# Allegro board ZDRK-36-DE3-A02-20190729.brd (continued)
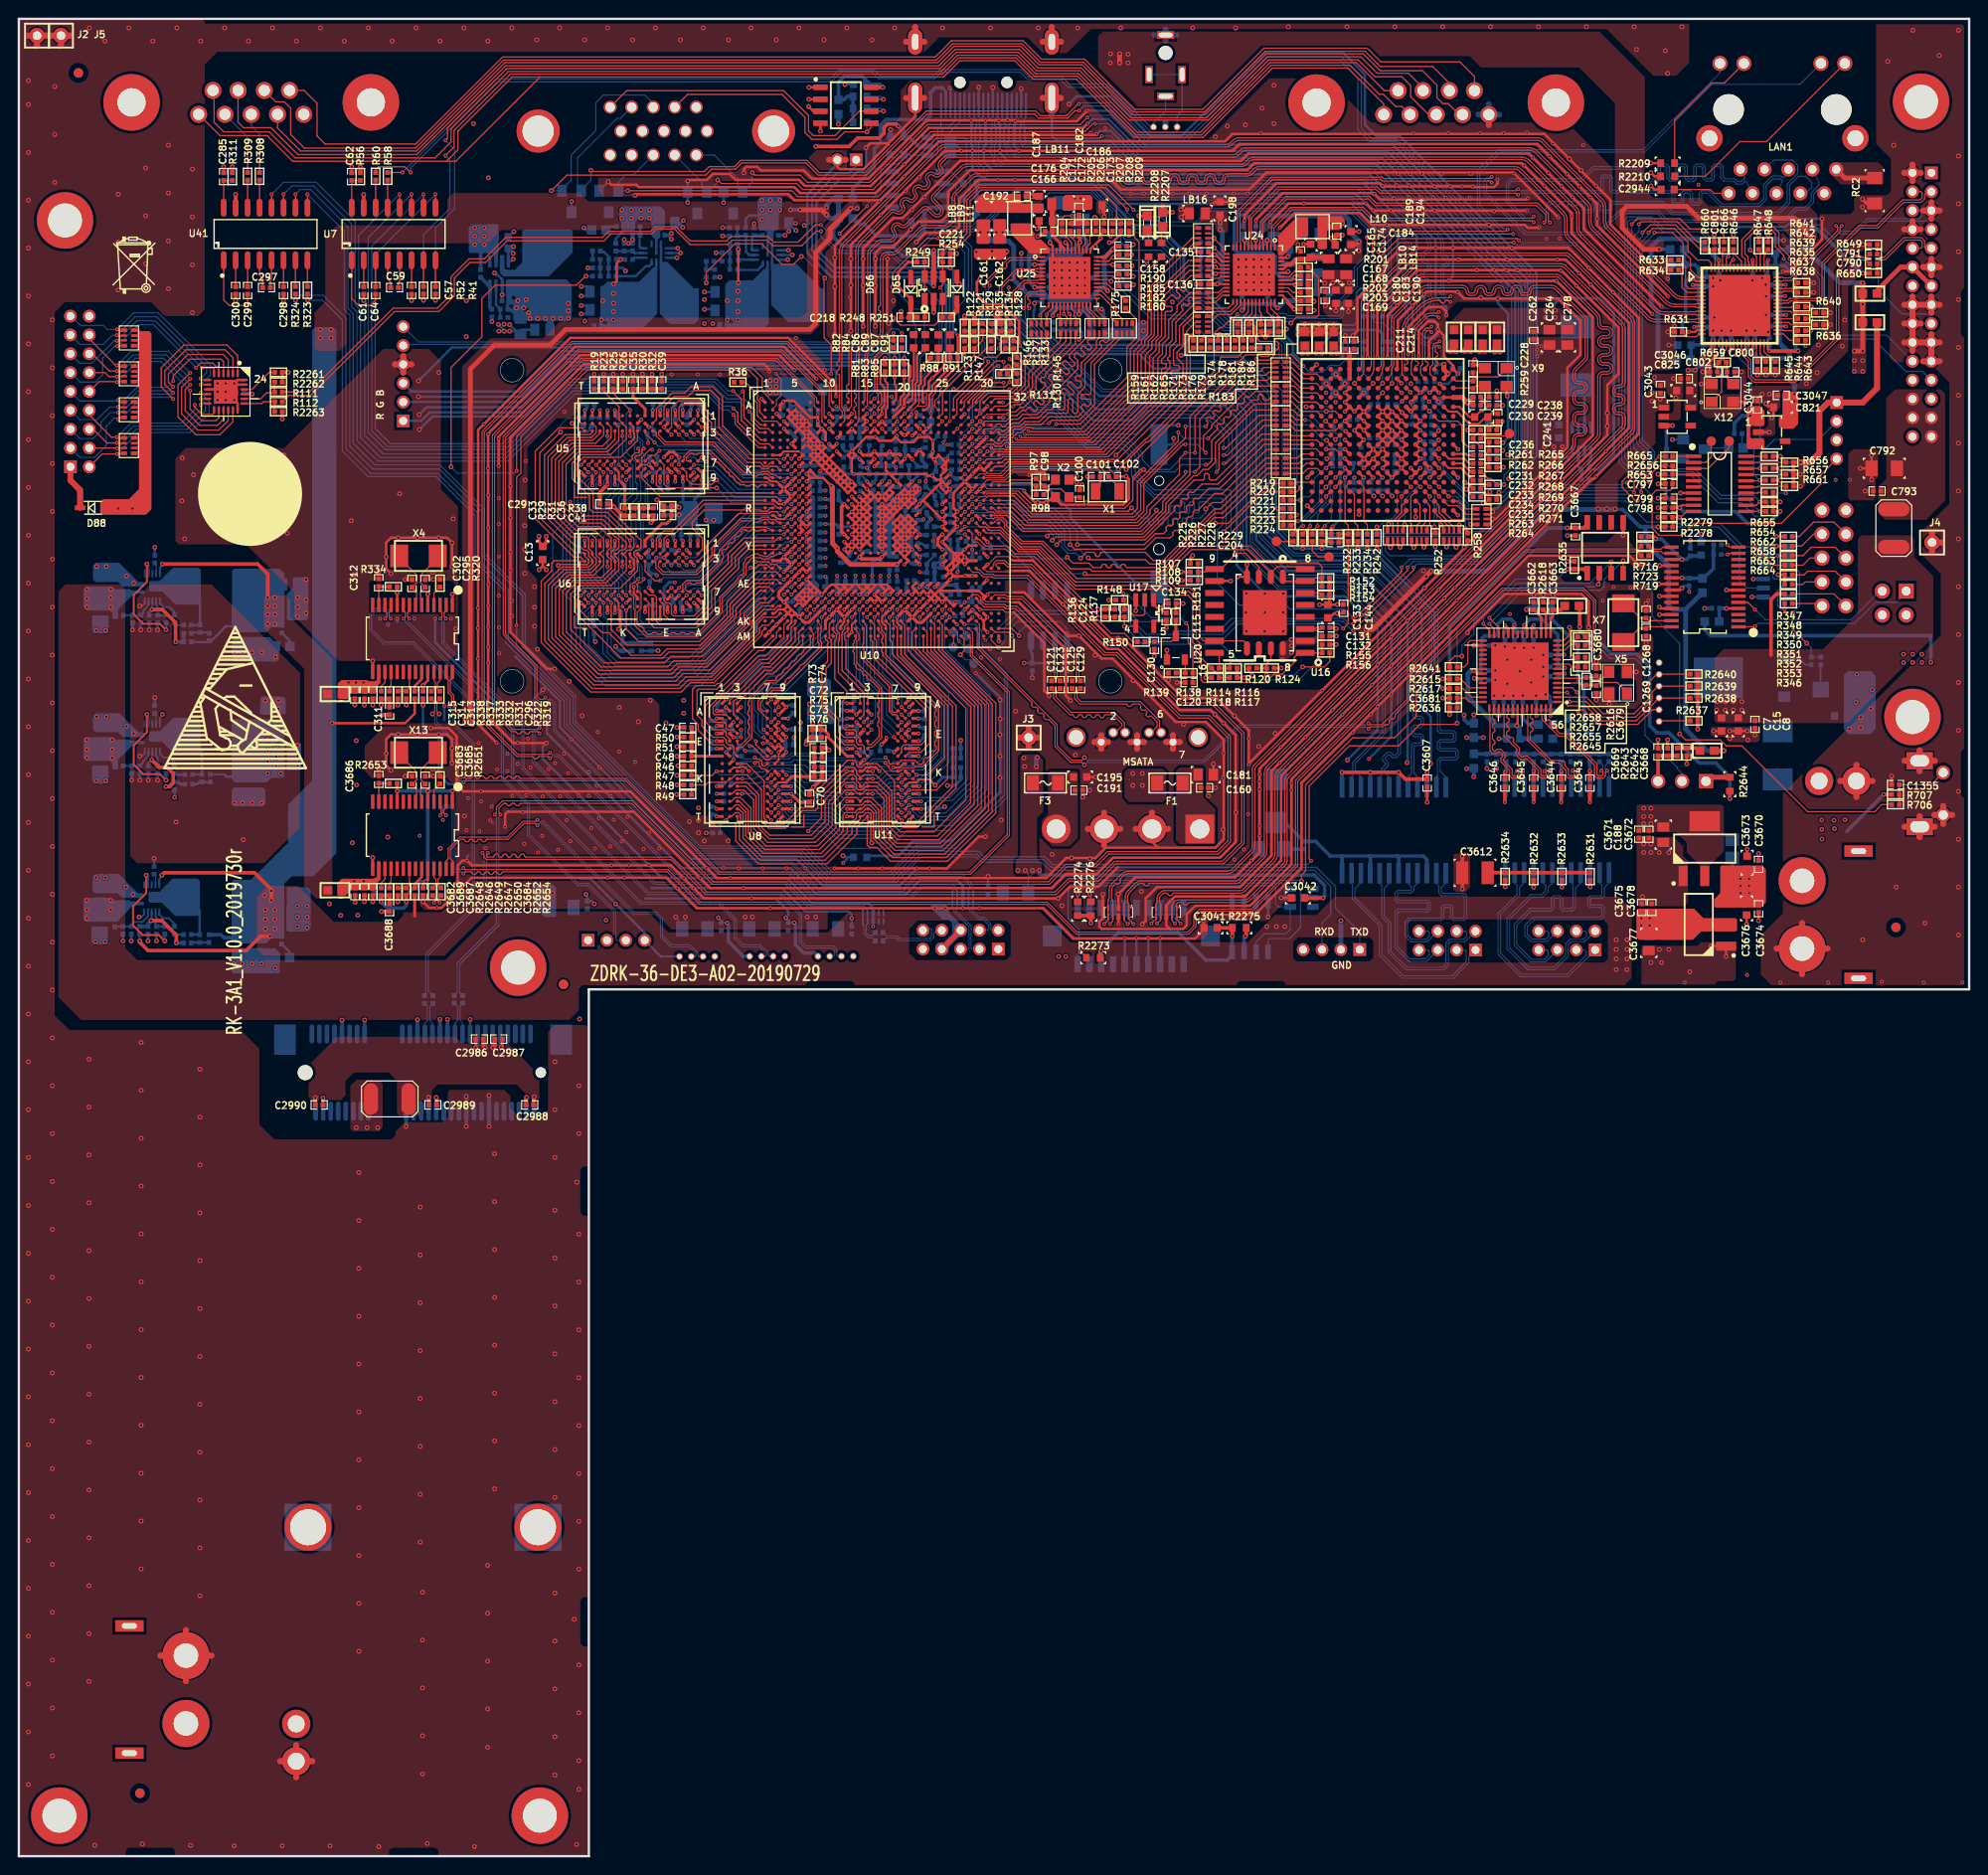
[diagram p0: board, top side]
## Routing (per net, layer and track width the routed paths; a pad name or vN(x,y) marks a point on that pad's centre or on a via; arc(x,y) is an arc through that point) (continued)
12V0: length 7.6
  TOP w0.381: R353.2 186.56,133.96 185.98,133.38 185.98,127.48
  vias: v2(7.24,134.47) v2(7.24,133.45) v2(7.24,132.56) v2(7.24,118.47) v2(7.24,117.45) v2(7.24,116.56) v2(7.24,101.45) v2(7.24,100.43) v2(7.24,99.54) v2(9.78,134.47) v2(9.78,133.58) v2(9.78,132.56) v2(9.78,101.45) v2(9.78,100.43) v2(9.91,118.47) v2(9.91,117.45) v2(9.91,116.56) v2(118.24,114.91) v2(118.24,113.64) v2(119.25,114.91) v2(119.25,113.64) v2(132.46,98.65) v2(133.48,98.65) v2(134.37,98.65) v2(169.54,97.26) v2(169.54,96.24) v2(169.54,95.22) v2(169.54,94.08) v2(170.69,97.26) v2(170.69,96.24) v2(170.69,95.22) v2(170.69,94.08) v2(180.21,122.53) v2(180.21,121.64) v2(181.1,122.53) v2(181.1,121.64) v2(181.99,122.53) v2(181.99,121.64) v2(182.88,122.53) v2(182.88,121.64)
+1.2V: length 15.2
  BOTTOM w0.381: LB136.1 162.56,131.42 165.48,128.5 165.48,124.69 166.12,124.05 166.12,119.61 166.5,119.23 166.75,119.23
  vias: v2(172.47,111.23) v2(172.47,110.34) v2(172.47,109.58) v2(173.23,111.23) v2(173.23,110.34) v2(173.23,109.58)
+2.5V: length 3.5
  BOTTOM w0.381: v2(154.43,114.55) LB139.2 154.38,115.42 v2(153.67,115.42) ; v2(153.67,118.72) LB134.1 v2(155.45,118.72)
  vias: v2(172.21,99.54) v2(172.21,98.78) v2(173.1,99.54) v2(173.1,98.78)
+2.5VA: length 14.4
  BOTTOM w0.381: R2626.2 R2625.2 R2627.2 R2624.2 R2623.2 R2628.2 R2622.2 R2621.2 R2629.2 R2620.2 R2619.2 R2630.2 C3665.2 C3666.2 154.46,116.97 LB139.1
+3.3V: length 34.3
  TOP w0.381: LB137.2 165.67,132.63 v2(165.67,130.47) ; R2644.2 v2(181.61,112.24)
  BOTTOM w0.381: v2(182.75,103.73) 181.86,104.62 LB70.2 ; v2(181.61,112.24) 181.61,114.53 180.11,116.03 178.33,116.03 175.13,119.23 173.86,119.23 173.1,119.99 173.1,126.21 171.7,127.61 169.04,127.61 167.13,129.51 166.24,129.51 165.67,130.09 v2(165.67,130.47)
  vias: v2(182.75,102.97) v2(182.75,102.21) v2(183.64,103.73) v2(183.64,102.97) v2(183.64,102.21)
AVDD33_AC0: length 3.8
  TOP w0.305: U10.H20 94.41,148.69 v1(94.81,148.29)
  BOTTOM w0.254: v1(94.81,148.29) 94.81,148.19 95.38,147.62 C378.1
  BOTTOM w0.305: C378.1 C372.1
  BOTTOM w0.381: C372.1 96.27,147.68 95.85,148.09 LB39.2
AVDD33_DDRPLL0: length 6.8
  TOP w0.305: U10.R12 v1(87.61,143.49) ; U10.W12 v1(87.61,140.29)
  TOP w0.381: v1(87.61,143.49) 87.33,143.2 87.33,140.58 v1(87.61,140.29)
  BOTTOM w0.381: LB51.2 87.02,144.84 C434.1 87.5,143.49 v1(87.61,143.49) ; C432.1 87.61,140.28 v1(87.61,140.29)
AVDD33_DDRPLL1: length 6.7
  TOP w0.305: U10.AA14 v1(89.21,137.89) ; U10.AA17 v1(91.61,137.89)
  TOP w0.381: v1(91.61,137.89) 91.39,137.67 89.44,137.67 v1(89.21,137.89)
  BOTTOM w0.254: v1(91.61,137.89) 91.52,137.8 C405.1
  BOTTOM w0.305: v1(89.21,137.89) 88.58,137.26 C424.1 87.21,137.26 LB50.2
AVDD33_PLL: length 2.7
  TOP w0.305: v1(98.01,142.69) U10.R25
  BOTTOM w0.305: v1(98.01,142.69) 98.07,142.69 98.37,142.39 C356.1 LB34.2
AVDD33_RTC: length 2.7
  TOP w0.305: U10.P25 v1(98.01,143.49)
  BOTTOM w0.254: LB35.2 97.26,145.24 98.02,144.48 C363.1
  BOTTOM w0.305: v1(98.01,143.49) 98.02,143.5 C363.1
AVDD33_SATA01: length 2.9
  TOP w0.305: U10.AA25 v1(98.01,137.89) ; U10.AB25 v1(98.01,137.09)
  BOTTOM w0.381: C366.1 C367.1 97.19,136.21 LB36.2
AVDD33_SATA23: length 5.8
  TOP w0.305: v1(98.01,140.29) 97.61,139.89 U10.W24 97.54,139.82 97.54,139.17 U10.Y24 v1(98.01,138.69)
  BOTTOM w0.305: C355.1 98.88,139.57 C357.1 98.63,139.67 v1(98.01,140.29)
  BOTTOM w0.381: LB33.2 98.89,138.67 C355.1 98.02,138.68 v1(98.01,138.69)
AVDD33_USB2: length 4.1
  TOP w0.305: U10.AE24 v1(97.21,134.69)
  BOTTOM w0.356: v1(97.21,134.69) 97.68,134.69 97.94,134.95 C359.1 98.18,134.91 LB32.2
  BOTTOM w0.381: C350.1 99.82,134.34 99.52,134.65 LB32.2
AVDD33_USB3: length 2.5
  TOP w0.305: U10.J14 v1(89.21,148.29)
  BOTTOM w0.381: LB49.2 88.33,148.45 C425.1 89.04,148.46 v1(89.21,148.29)
AVDD33_USB32: length 2.3
  TOP w0.305: U10.J15 v1(90.81,148.29)
  BOTTOM w0.254: LB47.2 90.23,149.68 90.23,148.78 C415.1 90.34,148.77 v1(90.81,148.29)
AVDD33_VDAC: length 2.6
  TOP w0.305: U10.J18 v1(93.21,148.29)
  BOTTOM w0.381: LB44.2 93.07,148.44 v1(93.21,148.29) 93.68,147.83 C385.1
AVDD33_VDAC_CVBS: length 2.5
  TOP w0.305: U10.J19 v1(94.01,148.29)
  BOTTOM w0.381: v1(94.01,148.29) 94.08,148.36 94.08,149.2 C384.1 94.07,149.24 LB41.1
AVDD_BAT: length 27.4
  TOP w0.305: v1(100.41,145.09) U10.N27
  BOTTOM w0.254: v1(100.41,145.09) 100.89,145.57 108.86,145.57 111.63,142.8 111.63,142.04 118.95,134.72 BT1.1
  BOTTOM w0.381: v1(100.41,145.09) 99.8,144.48 C351.1
AVDD_HDMITX: length 3.5
  TOP w0.305: U10.M16 v1(91.61,145.89)
  BOTTOM w0.305: LB46.2 90.96,146.06 90.96,146.56 C406.1 C395.1 91.97,146.25 v1(91.61,145.89)
AVDD_PLL: length 2.4
  TOP w0.305: U10.T21 v1(95.61,142.69)
  BOTTOM w0.305: v1(95.61,142.69) 95.61,142.75 96.27,143.41 C371.1
  BOTTOM w0.381: v1(95.61,142.69) 95.44,142.86 LB40.2
AVDD_PLL_HDMITX: length 2.2
  TOP w0.305: U10.M17 v1(92.41,145.89)
  BOTTOM w0.381: LB42.2 C397.1 92.46,145.85 v1(92.41,145.89)
AVDD_SATA01: length 4.8
  TOP w0.305: U10.AB21 v1(95.61,137.09) ; U10.AA21 v1(95.61,137.89)
  BOTTOM w0.305: C370.1 95.82,138.1 v1(95.61,137.89) v1(95.61,137.09) 95.09,137.09 C380.1 94.7,137.19 LB43.2
AVDD_SATA2: length 2.3
  TOP w0.305: U10.Y21 v1(95.61,138.69)
  BOTTOM w0.254: LB38.2 96.16,139.01 95.86,139.32 C379.1
  BOTTOM w0.305: C379.1 95.43,138.88 v1(95.61,138.69)
AVDD_SATA3: length 2.1
  TOP w0.305: U10.W21 v1(95.61,140.29)
  BOTTOM w0.381: C377.1 95.4,140.5 v1(95.61,140.29) 95.7,140.21 LB37.2
AVDD_USB3: length 2.9
  TOP w0.305: v1(90.02,145.89) 90.02,145.89 U10.M15
  BOTTOM w0.254: C418.1 89.33,146.66 90.02,145.97 v1(90.02,145.89)
  BOTTOM w0.381: LB48.2 89.13,145.88 89.13,146.51 C418.1
AVDDH_HDMITX: length 3.5
  TOP w0.305: U10.J16 v1(90.81,147.49)
  BOTTOM w0.305: C398.1 C399.1 91.46,147.49 v1(90.81,147.49)
  BOTTOM w0.381: C398.1 91.54,149.59 LB45.2
DVDD_CORE: length 50.1
  TOP w0.254: U10.V16 91.62,140.29 ; U10.P19 v1(93.21,143.49) ; U10.P19 U10.R20 94.82,143.5 ; U10.P19 v1(93.21,144.29) U10.N19 U10.P20 94.44,143.89 94.82,143.5 ; U10.T18 92.81,142.3 v1(91.62,143.49) ; 93.25,142.72 95.61,145.09 v1(95.61,145.09) U10.M21 v1(94.81,145.09) U10.N21 ; 93.25,142.72 92.42,141.89 ; 93.25,142.72 92.87,143.09 U10.R18 ; 92.42,141.89 v1(91.62,141.09) 91.22,141.49 U10.U16 ; 92.42,141.89 92.02,142.29 U10.T17 ; v2(76.37,170.55) v2(76.37,166.98) ; 92.41,143.48 91.61,142.69 ; 92.41,143.48 92.8,143.09 U10.R18 ; 92.41,143.48 U10.P18 U10.R19 ; v1(91.61,138.69) 92.01,139.09 U10.Y17 ; U10.R18 U10.T17 ; U10.V17 92.01,140.69 v1(91.62,140.29) ; U10.T17 91.61,141.89 ; 94.82,143.5 U10.P21 94.01,145.09 ; U10.N20 v1(94.01,144.29) ; v1(91.62,141.89) 91.22,142.29 U10.T16 ; U10.R16 91.62,142.69 ; U10.W16 91.22,139.89 v1(91.62,139.49) 92.01,139.89 U10.W17
  TOP w0.305: U10.V16 91.61,141.09 v1(91.62,141.09) 91.62,141.09 U10.V17 ; v1(91.61,138.69) 91.61,138.7 U10.Y16 91.61,139.49 v1(91.62,139.49) 91.62,139.49 U10.Y17 ; U10.T17 91.62,142.69 v1(91.62,142.69) 91.61,142.69 U10.T16 ; U10.R16 91.61,143.49 v1(91.62,143.49) 91.62,143.49 U10.R17 ; U10.W16 91.61,140.29 v1(91.62,140.29) 91.62,140.29 U10.W17 ; U10.P19 v1(94.01,144.29) ; U10.P18 v1(93.21,144.29) ; U10.U17 91.62,141.89 v1(91.62,141.89) 91.61,141.89 U10.U16 ; U10.P20 v1(94.81,144.29) ; U10.N20 v1(94.81,145.09) ; U10.N21 v1(95.61,145.09) ; 94.01,145.09 U10.N19 ; U10.R18 v1(93.21,143.49)
  BOTTOM w0.254: 79.46,167.07 U9.2 ; C65.2 v2(76.37,170.55) 76.37,170.98 R66.1
  BOTTOM w0.305: 90.65,144.45 90.68,144.48 LB46.1 ; 90.65,144.45 90.96,144.14 C408.1 ; 90.65,144.45 89.76,144.45 89.33,144.88 LB48.1 ; LB37.1 97.17,139.74 v1(97.03,139.6) 97.17,139.46 LB38.1
  BOTTOM w0.381: LB43.1 92.68,137.92
  vias: v2(75.18,165.07) v2(75.18,163.04) v2(76.33,166.09) v2(76.33,165.07) v2(76.33,163.93) v2(76.33,163.04)
DVDD_CPU: length 63.3
  TOP w0.254: 85.62,147.09 85.67,147.09 86.44,147.86 ; 85.62,147.09 85.21,147.49 ; 85.62,147.09 86,146.71 ; U10.E6 U10.D7 U10.C6 ; 87.99,146.31 87.62,146.68 ; 87.99,146.31 U10.M13 U10.N12 ; 87.99,146.31 87.23,145.55 87.16,145.55 ; 87.62,146.68 86.89,145.94 86.89,145.82 ; 87.62,146.68 87.22,147.09 ; U10.N13 U10.M12 ; U10.M12 88.01,145.48 87.62,145.08 87.16,145.55 ; U10.M12 88.03,145.49 v1(88.42,145.88) ; 84.41,150.7 U10.F8 ; 84.41,150.7 U10.E7 U10.F6 ; 84.41,150.7 84.01,150.31 U10.F7 ; U10.F8 v1(85.21,149.89) U10.G8 U10.H7 84.79,147.91 ; U10.F8 U10.G7 v1(84.41,149.09) ; v1(83.61,152.29) 83.61,152.29 U10.E5 ; 84.79,147.91 85.57,148.69 U10.H9 ; 84.79,147.91 85.21,147.49 ; U10.C6 U10.D5 ; U10.C6 U10.B5 U10.C4 81.99,152.32 ; U10.D5 v1(83.61,150.69) ; U10.D5 81.99,152.32 ; v2(63.12,166.85) 63.46,167.2 63.46,169.05 v2(63.87,169.46) ; 87.22,147.09 86.84,147.47 ; 87.22,147.09 86.43,146.3 86.43,146.27 ; 86.84,147.47 86.44,147.86 ; 86.84,147.47 86.08,146.71 86,146.71 ; U10.H9 U10.F7 ; U10.H9 86.44,147.86 ; U10.F7 U10.G6 ; 86.43,146.27 86,146.71 ; 86.43,146.27 86.89,145.82 ; 81.99,152.32 82.36,152.69 U10.C5 ; U10.H8 87.62,145.88 ; 87.16,145.55 86.89,145.82 ; U10.D6 v1(83.61,151.49) ; U10.J7 U10.G9 ; 85.21,147.49 U10.H10 ; U10.B4 v1(82.81,152.29)
  TOP w0.305: U10.G7 v1(83.61,149.89) ; 87.62,145.88 U10.M12 ; v1(82.81,152.29) U10.D6 v1(83.61,152.29) ; U10.M13 v1(88.42,145.88) ; U10.G9 v1(85.21,149.89) ; U10.E7 v1(83.61,151.49) ; U10.F7 v1(83.61,150.69) ; U10.H8 v1(84.41,149.09) ; U10.C5 v1(82.81,153.09) ; 87.62,145.08 U10.N12 ; U10.G8 v1(84.41,149.89)
  BOTTOM w0.254: C40.2 v2(63.87,169.46) R42.1 ; U4.2 67.65,168.24
  BOTTOM w0.381: C428.1 87.74,145.88 v1(88.42,145.88)
  vias: v2(61.85,163.04) v2(61.98,165.07) v2(63.12,165.84) v2(63.12,164.82) v2(63.12,163.93) v2(63.12,163.04) v2(79.73,156.59) v2(79.73,155.96) v2(79.73,155.32) v2(80.37,156.59) v2(80.37,155.96) v2(80.37,155.32)
GND: length 5507
  TOP w0.102: U10.C31 v3(102.9,152.69) ; 86.74,154.97 v3(86.74,154.91) ; U10.D31 v3(102.9,151.89) ; v1(94.74,153.02) 94.74,153.3 95.33,153.9 ; v1(102.01,132.29) 104.44,132.29 104.7,132.03 105.59,132.03 ; 107.54,146.89 v1(107.24,146.58) 107.24,146.63 107.29,146.69 ; 107.54,146.89 107.87,146.89 ; 107.54,146.89 105.54,146.89 104.7,146.05 102.78,146.05 102.41,145.68 U10.M30 102.79,145.11 106.53,145.11 106.71,144.93 ; 95.53,155.02 95.53,154.1 95.33,153.9 ; v1(102.81,133.89) 102.81,133.92 103.02,134.12 105.59,134.12 ; U10.AC30 102.41,136.68 102.77,136.32 105.23,136.32 105.33,136.42 105.59,136.42 ; U10.C23 96.81,153.1 v3(96.82,153.11) 96.82,153.59 96.97,153.74 96.97,154.96 97.31,155.3 97.31,155.55 ; 95.33,153.9 96.19,153.9 96.34,154.05 96.34,155.47 96.42,155.55 ; U10.K30 102.48,147.09 102.84,146.74 104.19,146.74 105.18,147.73 ; 105.59,133.07 105.28,133.07 105.21,133.15 102.64,133.15 102.41,133.38 U10.AG30 ; v1(102.81,137.09) 102.88,137.09 103.71,137.92 105.05,137.92
  TOP w0.127: U32.T6 v2(142.25,142.41) ; v1(66.87,147.66) 66.11,147.66 66.09,147.68 66.09,148.4 66.97,149.28 v1(67.22,149.28) ; U10.H6 82.81,149.1 ; U32.T1 137.19,142.82 ; C229.2 155.17,154.69 v2(155.42,154.43) 155.17,154.18 C230.2 ; U32.T12 v2(148.25,142.12) ; 105.05,137.92 105.46,137.52 ; C102.1 116.48,146.48 115.24,147.73 105.18,147.73 ; U32.E1 v2(136.63,153.82)
  TOP w0.178: U8.J8 80.66,116.35 v1(80.66,117.15)
  TOP w0.203: U11.J8 94.1,115.95 93.9,115.95 93.5,115.55 v1(92.81,115.55) ; 81.23,132.31 80.62,132.31 80.2,131.89 U10.AJ2 ; U10.AJ17 91.63,131.51 91.63,130.93 92.01,130.55 U10.AL17 ; U10.P2 80.21,143.89 80.61,143.49 v1(81.21,143.49) ; R81.2 91.64,158.37 91.44,158.17 91.44,156.31 91.87,155.88 91.87,154 91.61,153.74 v1(91.61,153.09) ; U10.AL19 93.61,130.49 93.21,130.89 v1(93.21,131.49) ; U10.T4 81.22,141.9 80.69,141.9 80.44,142.02 80.16,142.29 U10.T2 ; U10.AL11 87.21,130.55 87.61,130.95 v1(87.61,131.49) ; v1(81.21,133.09) U10.AH4 ; U10.AK13 88.41,130.69 v1(88.41,129.89) ; U10.H2 U10.H3 81.21,149.09 82.58,149.09 82.59,149.1 82.81,149.1 ; 82.02,131.7 82.02,130.91 81.61,130.51 U10.AL4 ; v1(65.27,134.71) 65.27,134.02 65.67,133.62 U6.J8 ; U10.M3 80.41,145.9 79.83,145.9 79.43,146.29 U10.L1
  TOP w0.254: v4(146.75,147.32) U32.L11 v4(146.75,148.32) ; v4(146.75,147.32) U32.L10 ; v4(146.75,147.32) U32.M11 ; v1(187.26,168.19) 188.02,168.19 191.39,171.55 v2(191.39,173.79) ; v2(62.55,177.71) 62.87,177.39 65.53,177.39 65.79,177.14 82.3,177.14 82.93,176.5 90.93,176.5 97.1,182.68 114.3,182.68 v1(114.4,182.78) ; U10.Y29 100.81,139.09 ; U10.T26 v1(99.61,142.69) ; R634.1 v2(174.62,168.38) 173.74,168.38 168.94,173.18 168.94,175.77 v2(164.57,180.14) 161.93,182.78 128.8,182.78 128.02,181.99 97.69,181.99 86.61,170.92 v2(86.61,169.65) v2(86.61,166.6) v2(86.61,161.52) ; U10.AG30 102.41,133.78 101.9,134.29 U10.AF29 ; U32.J16 v4(152.75,149.32) ; U10.C8 U10.C7 83.54,153.16 83.54,153.16 83.21,153.49 U10.B6 82.25,154.46 81.25,154.46 v1(81.13,154.33) ; U10.C8 84.81,152.91 84.81,152.91 v3(84.81,152.98) ; U10.C8 v3(84.81,152.3) U10.D8 v1(85.21,151.49) ; X2.2 109.72,144.23 109.42,143.94 ; X5.4 v2(168.8,122.29) ; v1(98.01,133.09) 97.61,133.49 U10.AG24 U10.AF23 ; 100.01,138.29 U10.AC25 U10.AB26 ; 100.01,138.29 v1(100.41,137.89) 100.01,137.49 ; 100.01,138.29 U10.AA26 ; 100.01,138.29 v1(100.41,138.69) U10.Y28 ; C792.2 v2(196.65,146.08) ; C792.2 v2(195.45,147.29) ; C792.2 v2(196.65,148.69) ; v1(156.95,177.93) 156.95,177.52 156.57,177.14 154.41,177.14 v1(154.33,177.22) v1(153.16,177.22) v1(151.92,177.22) v4(150.27,177.22) 144.81,177.22 v1(144.75,177.27) 144.48,177.55 133.48,177.55 130.1,174.17 v1(130.1,173.58) ; 93.22,141.9 U10.U18 U10.V19 ; 93.22,141.9 U10.T19 U10.U20 ; 93.22,141.9 93.61,141.51 U10.U19 ; C194.2 v2(142.24,172.43) ; v2(124.69,170.38) 124.82,170.26 C135.2 ; v1(87.61,138.69) v1(88.41,139.49) v1(89.21,138.69) ; v1(94.81,140.29) U10.U19 ; U10.U19 U10.V18 U10.W19 ; U10.U19 U10.T20 94.83,141.87 ; v4(145.75,152.32) U32.G9 ; v4(145.75,152.32) U32.G10 ; v4(145.75,152.32) U32.F9 ; U32.G9 v4(144.75,152.32) ; U32.G9 v4(145.75,151.32) ; U32.G9 v4(144.75,151.32) ; R261.2 v2(153.8,151.36) ; v1(99.67,161.39) R91.2 v1(99.67,158.24) 97.31,155.88 97.31,155.55 ; U103.23 23,156.17 v2(22.86,156.31) 23.22,156.67 U103.24 ; v1(160.07,174.65) v1(150.27,174.65) v1(147.29,174.65) v1(145.64,174.65) v1(143.74,174.65) v1(143,175.39) v1(136.4,175.39) 134.77,175.39 v1(132.84,173.46) ; C3673.2 v2(183.44,106.86) ; v4(144.75,152.32) U32.G8 v4(144.75,151.32) ; v4(144.75,152.32) U32.F8 v2(144.75,153.32) ; v2(111.63,122.66) 111.12,123.16 111.12,128.09 106.15,133.07 105.59,133.07 ; R638.2 v1(189.64,160.27) ; R2643.1 v2(175.01,118.47) ; v2(154.53,139.95) 154.53,139.88 154.28,139.62 R258.2 153.77,139.27 v2(153.42,138.91) 153.42,138.81 v2(149.2,134.59) 130.56,115.95 ; v1(180.09,159.23) 179.48,158.62 C802.1 v2(178.74,157.53) ; v4(146.75,148.32) U32.K11 v4(146.75,149.32) U32.J11 v4(146.75,150.32) U32.H11 v4(146.75,151.32) ; v4(146.75,148.32) U32.K10 ; 111.9,146.09 111.98,146.09 112.29,145.78 v2(112.29,145.77) ; 111.9,146.09 X2.4 ; 111.9,146.09 v2(112.27,146.46) ; C3676.2 v2(183.39,98.91) ; v1(68.87,139.6) U6.E1 ; R222.1 v1(133.6,143.03) ; 91.62,144.29 U10.N16 U10.P15 ; C134.2 121.64,132.94 v2(121.16,132.46) ; U25.43 111.33,171.01 v2(111.1,171.25) ; v2(92.2,169.52) 92.15,169.47 92.15,162.84 v2(92.33,162.66) ; U17.3 v2(118.55,132.18) ; v4(146.75,151.32) U32.G10 ; v4(146.75,151.32) U32.H10 ; U32.G10 v4(146.75,152.32) ; R631.2 v2(175.03,161.77) ; U27.2 v2(83.85,186.46) ; v2(174.12,132.56) 174.26,132.42 U44.25 ; 92.4,144.28 92.01,144.66 92.01,144.69 ; 92.4,144.28 U10.P17 ; 92.4,144.28 U10.N18 92.8,144.69 92.41,145.08 ; v4(150.62,162.03) 151.26,161.39 151.26,159.18 152.25,158.18 U32.A16 v4(152.75,157.32) ; v4(150.62,162.03) 150.62,162.56 150.32,162.86 149.53,162.86 148.59,161.93 v1(148.59,159.26) ; v4(150.62,162.03) 150.62,161.75 149.68,160.81 v1(149.68,158.98) ; U10.V13 v1(89.21,141.09) ; U10.V13 U10.W14 ; U10.V13 v1(88.41,141.09) ; v1(89.21,141.09) U10.V14 ; v1(89.21,141.09) U10.U13 ; U32.T16 v4(152.75,142.32) ; v4(150.75,146.32) U32.M15 ; U10.A32 104.46,154.29 v3(104.47,154.28) ; R263.2 154.31,145.16 154.31,145.19 153.82,145.67 153.62,145.67 v2(153.47,145.82) ; C3667.1 v2(164.36,140.16) ; C130.2 v2(120.52,127.36) ; v2(172.21,137.13) 171.83,137.13 170.94,138.02 160.25,138.02 v1(144.22,122) 136.14,113.92 136.14,104.88 131.19,99.92 125.98,99.92 125.73,99.67 125.73,99.31 v2(125.74,99.3) ; 116.71,100.49 U110.9 v2(116.71,102.11) 118.49,103.89 129.08,103.89 131.7,106.5 v1(131.7,108.31) v1(131.7,109.37) v1(131.7,113.23) v1(131.7,114.07) v1(131.7,114.83) 131.7,115.42 v1(145.67,129.39) v1(147.41,131.13) v1(148.49,132.21) v1(150.7,134.42) v1(162.36,146.08) 167.06,150.77 167.06,163.35 v1(163.22,167.18) v4(151.77,167.18) 148.87,167.18 148.36,166.67 v1(148.36,166.62) v1(146.3,164.57) 145.29,163.55 v1(145.29,159.05) ; v2(121.16,132.46) 120.85,132.46 120.46,132.85 U17.1 ; v2(121.16,132.46) 121.67,131.95 C115.2 ; v4(148.75,146.32) U32.M13 ; v2(134.72,168.17) 134.59,168.04 U24.43 ; v2(21.08,155.42) 20.83,155.67 U103.9 ; U10.AF28 97.69,134.29 ; 97.69,134.29 U10.AF24 ; 97.69,134.29 v1(98.86,135.46) ; U10.U13 U10.R15 U10.P14 ; U10.U13 88.41,141.9 ; v2(88.32,161.87) v2(88.32,166.73) v2(88.32,169.52) 88.32,171.02 98.27,180.97 v1(100.05,180.97) v1(101.22,180.97) v1(102.44,180.97) 104.11,180.97 v1(104.14,181) 104.17,180.97 v1(106.17,180.97) v1(108.03,180.97) v1(110.36,180.97) v1(113.49,180.97) v1(115.44,180.97) 128.83,180.97 129.57,181.71 161.16,181.71 v1(164.34,178.54) v1(165.66,177.22) v1(166.8,176.07) 167.51,175.36 v1(167.51,173.79) 167.51,173.08 v1(175.01,165.58) ; U32.F9 v4(145.75,153.32) ; U32.F9 v2(144.75,153.32) ; v4(145.75,153.32) U32.E9 v2(144.75,153.32) ; v4(145.75,153.32) U32.F10 v4(146.75,152.32) ; v2(124.59,138.02) 124.36,137.79 R107.2 ; v4(148.75,147.32) U32.M12 ; U32.M12 v4(147.75,146.32) ; U32.M12 v4(147.75,147.32) ; R644.2 v2(185.42,157.2) ; U10.P15 U10.N14 ; U10.P15 U10.T13 ; R648.1 v2(185.67,172.03) ; R2655.1 v2(164.87,127.23) ; U10.T13 88.8,142.29 88.41,141.9 ; U10.T13 U10.U14 ; v1(163.4,173.91) v1(158.7,178.61) 158.62,178.69 132.41,178.69 130.61,176.89 116.94,176.89 115.93,177.9 v1(113.72,177.9) v1(111.73,177.9) v1(110.21,177.9) v1(108.23,177.9) v1(105.74,177.9) v1(103.91,177.9) 101.85,177.9 99.81,175.86 99.81,172.96 99.14,172.29 96.24,172.29 v2(95.25,171.3) ; U10.AJ4 81.61,131.9 82.01,132.3 ; U10.AJ4 81.67,131.89 82.02,131.55 ; U10.AJ4 81.23,132.28 81.23,132.31 U10.AH4 ; R635.2 v1(190.25,163.17) ; U10.AB26 99.21,136.69 v1(98.81,136.29) ; U10.AB26 U10.AA26 ; U10.AB26 100.01,137.49 ; RN10.8 146.92,139.23 v2(146.61,138.91) 146.35,139.17 RN10.7 ; v1(94.01,140.29) U10.W20 ; U10.W20 U10.Y19 ; U10.W20 U10.V21 U10.U20 ; R347.2 v2(186.56,140.06) ; v4(146.75,152.32) U32.G11 ; R159.1 124.64,161.16 124.54,161.26 v2(124.54,161.34) ; C3679.1 v2(167.44,122.71) ; U10.Y19 U10.W18 U10.U20 ; U10.Y19 U10.AA18 ; v2(183.45,119.42) C15.2 v2(181.61,119.42) ; U10.AF24 U10.AG25 U10.AH26 ; U10.AF24 U10.AG23 ; C797.2 v2(173.99,145.64) ; R208.2 116.97,172.16 116.07,171.26 v2(115.74,171.26) ; U20.1 v2(121.86,127.99) ; U10.AA19 U10.Y18 U10.W19 ; U10.AA19 U10.Y20 v1(94.01,139.49) ; U10.AA19 94.02,137.89 ; v2(108.08,172.72) 108.29,172.94 C176.2 ; 98.65,140.13 v1(98.01,139.49) ; 98.65,140.13 U10.W25 ; 98.65,140.13 U10.V26 v1(99.61,141.09) ; v1(173.35,163.68) 164.82,172.21 v1(164.82,174.04) 164.82,174.37 v1(161.93,177.27) v4(159.77,179.43) 159.51,179.68 131.11,179.68 130.38,178.94 100.94,178.94 98.63,176.63 98.63,174.22 97.89,173.48 95.48,173.48 v2(94.64,172.64) 92.74,170.74 91.52,170.74 90.91,170.13 v2(90.91,169.52) v2(90.91,166.67) v2(90.91,162.38) ; R242.2 v2(144.15,138.79) ; RN11.6 v2(156.41,141.91) ; v2(156.41,141.91) 156.41,141.68 156.07,141.34 RN11.5 ; v2(156.41,141.91) 156.77,141.91 164.36,149.5 164.36,157.96 165.74,159.33 165.74,162.97 163.4,165.3 v2(162.33,165.3) v2(156.97,165.3) 153.42,165.3 v4(152.73,165.99) 152.65,166.07 149.45,166.07 v1(149.15,165.76) 146.35,162.97 v4(146.35,159) 146.3,158.95 146.3,157.87 U32.A10 ; U10.AA12 v1(88.41,138.69) 87.61,139.49 v1(87.61,139.49) ; R641.2 v2(190.5,166.98) ; v1(174.37,164.44) 166.12,172.69 166.12,174.85 v1(164.9,176.07) v1(163.73,177.24) v1(162.33,178.64) v1(160.71,180.26) 160.27,180.7 130.51,180.7 129.74,179.93 99.9,179.93 93.83,173.86 92.81,173.86 89.61,170.66 v2(89.61,169.52) v2(89.61,166.7) v2(89.61,162.36) ; U10.W19 U10.V20 U10.U21 94.83,141.87 ; R226.1 v2(136.27,138.79) ; C211.2 v2(140.79,161.39) ; U10.U14 U10.V15 U10.W14 ; U10.U14 U10.T15 U10.R14 ; U10.AA26 100.01,137.49 ; U10.AA26 U10.Y25 ; 100.01,137.49 98.81,136.29 v1(98.81,136.29) ; 100.01,137.49 v1(100.41,137.09) ; C101.1 v2(113.44,146.41) ; v1(67.27,131.28) U6.G9 U6.G8 ; X9.4 157.91,155.12 157.99,155.04 v2(157.99,154.97) ; U8.E8 v1(80.66,118.75) ; v2(185.42,154.15) 185.67,153.9 186.25,153.9 C821.2 186.25,152.82 v2(186.06,152.63) ; U27.4 v2(85.08,183.09) ; v4(144.75,151.32) U32.H9 ; v4(144.75,151.32) U32.H8 U32.J9 U32.H10 ; v2(109.35,123.16) 108.84,123.67 108.84,128.78 105.59,132.03 ; C102.1 116.51,146.43 v2(117.53,146.43) 117.81,146.15 117.81,144.02 117.22,143.43 113.51,143.43 v2(113.31,143.64) 113.11,143.43 110.64,143.43 110.13,143.94 109.42,143.94 ; X12.4 v2(178.56,156.25) ; U44.26 v2(174.15,131.77) ; C3044.2 184.53,154.66 v2(185.04,155.17) ; C174.2 v2(136.37,171.08) ; R81.2 v2(91.95,158.98) ; v2(186.74,135.99) R351.2 R352.2 ; v1(89.21,143.49) U10.P13 ; U10.M18 92.41,145.08 ; 92.41,145.08 U10.N17 92.01,144.69 ; U10.AK30 U10.AL30 ; U10.AK30 v1(102.81,131.49) ; U10.AK30 v1(102.01,131.49) ; v1(147.47,159.41) 147.47,162.28 149.61,164.41 151.03,164.41 151.51,163.93 v4(151.51,163.55) ; 86.74,154.97 86.74,156.06 81.66,161.14 58.52,161.14 48.74,151.36 v1(48.74,122.68) 48.74,120.19 48.72,120.17 v1(50.7,118.19) ; v2(89.92,181.33) 90.37,181.79 92.28,181.79 ; C799.2 v2(173.99,144.12) ; 116.66,104.98 114.59,102.91 111.57,102.91 v2(110.31,101.65) v1(77.8,101.65) 72.72,101.65 69.22,105.16 v1(64.74,105.16) v1(62.92,105.16) 48.08,105.16 v1(47.57,105.66) 47.09,105.66 46.58,105.16 v2(46.58,103.3) ; v4(142.75,153.32) U32.F6 v4(142.75,152.32) U32.G7 v4(142.75,151.32) ; v4(142.75,153.32) U32.E7 ; v4(142.75,153.32) U32.E6 v4(141.75,153.32) U32.E5 ; v4(142.75,153.32) U32.F7 ; v2(144.75,153.32) U32.E8 ; C8.2 v2(184.28,118.97) ; v4(149.75,146.32) U32.M14 ; 106.17,160.48 105.84,160.81 R133.1 ; 106.17,160.48 106.17,160.4 v1(106.25,160.32) ; 106.17,160.48 106.17,162.92 104.39,164.69 102.72,164.69 101.7,165.71 101.7,167.08 v2(102.03,167.41) ; v2(138.3,138.79) R228.1 139.19,139.52 C204.2 ; v2(109.45,171.25) 109.45,171.17 109.73,170.89 U25.47 109.73,169.31 U25.49 ; RN12.5 151.25,139.23 v2(151.54,138.94) 151.82,139.22 RN12.6 ; R186.2 134.24,161.77 v2(134.54,162.08) ; U44.18 v2(174.15,136.97) ; C7.2 v2(179.9,119.42) ; v2(102.59,108.2) 101.88,108.2 98.51,104.83 v1(96.7,104.83) v1(95.33,104.83) v1(91.67,104.83) v1(89.13,104.83) v1(86.59,104.83) ; v2(56.87,126.01) 56.08,126.01 52.17,129.92 v1(52.17,136.5) v1(52.17,138.4) v1(52.17,142.04) v1(52.17,145.41) 52.17,150.57 59.94,158.34 79.12,158.34 79.65,157.81 v1(79.65,157.58) ; v1(89.21,139.49) v1(88.41,140.29) ; v1(89.21,139.49) U10.Y13 ; v1(89.21,139.49) U10.Y14 U10.W15 U10.V14 ; RN9.8 149.46,139.22 v2(149.15,138.91) 148.88,139.18 RN9.7 ; RN9.5 147.81,139.13 v2(148.06,138.89) 148.38,139.21 RN9.6 ; U27.1 v2(83.87,187.73) ; C195.2 v2(114.3,114.53) ; v2(154.53,158.83) 154.36,158.65 C228.1 154.94,158.27 155.29,157.92 X9.2 ; C801.2 v2(179.96,172.06) ; v1(80.66,120.35) U8.D8 v1(80.66,119.55) ; v2(125.74,99.3) 125.79,99.25 C3041.1 ; v2(125.74,99.3) 125.74,98.28 124.84,97.38 111.94,97.38 108.71,100.61 v1(101.98,100.61) v1(100.18,100.61) v1(98.32,100.61) v1(97.23,100.61) v1(79.76,100.61) 71.96,100.61 68.73,103.84 48.06,103.84 44.86,100.63 v1(44.37,100.63) 43.56,100.63 v2(42.9,101.3) C3684.2 ; 94.83,141.87 94.45,141.49 U10.U20 ; R348.2 v2(186.56,139.04) ; C3682.2 v2(35.69,101.24) ; C57.2 v2(41.68,165.1) ; U32.E5 v4(140.75,153.32) ; U32.E5 v4(140.75,154.32) U32.D5 v4(140.75,155.32) U32.C5 ; 92.01,144.69 v1(91.62,144.29) ; U11.D1 v1(87.92,119.95) ; C2987.2 51.33,85.98 v2(51.18,85.83) ; X12.2 v2(183.19,154.35) ; U10.AF22 96.01,134.29 v1(96.41,133.89) v1(97.21,133.09) ; v1(60.07,153.45) U5.T1 ; 120.9,107.04 127,107.04 127.89,107.92 127.89,118.47 125.98,120.37 122.81,120.37 116.08,127.1 114.94,127.1 v2(112.52,129.51) 111.33,129.51 106.72,134.12 105.59,134.12 ; 120.9,107.04 120.27,107.67 120.27,109.02 ; 120.9,107.04 115.37,107.04 114.27,105.94 v2(111.73,105.94) 111.18,105.94 109.04,103.81 v1(75.54,103.81) 74.09,103.81 64.9,113 v1(49.02,113) 47.17,113 v1(46.82,113.35) 46.48,113.69 46.48,118.85 45.59,119.74 v2(43.74,119.74) ; v2(39.5,136.12) 38.99,136.63 v2(38.99,137.9) 38.99,139.42 39.5,139.93 v2(40.26,139.93) v2(42.29,139.93) v2(44.58,139.93) 45.44,139.93 v2(45.97,139.4) v2(45.97,136.88) ; C1355.2 v2(198.78,114.63) ; v1(114.81,174.57) 114.97,174.74 C186.2 115.19,175.02 v2(115.19,173.99) C173.2 ; v2(137.49,164.06) 137.36,164.19 C169.2 ; R645.2 v2(184.53,157.2) ; C3670.2 v2(184.66,106.4) ; C214.2 141.68,161.32 v2(141.6,161.39) 142.09,161.87 142.09,165.33 v1(144.95,168.19) 144.95,168.9 v1(146.38,170.33) 146.74,170.69 v1(148.36,170.69) v1(150.39,170.69) v4(152.22,170.69) v4(158.47,170.69) 164.49,170.69 v1(166.62,168.55) v1(169.21,165.96) 171.96,163.22 171.96,150.98 v1(167.39,146.41) 167.13,146.15 166.93,146.15 135.08,114.3 v1(135.08,113.87) v1(135.08,113.13) 135.08,105.26 130.68,100.86 124.87,100.86 123.95,99.95 123.95,98.78 123.57,98.4 122.17,98.4 ; 90.02,145.09 U10.M14 ; C183.2 v2(139.8,164.01) ; U10.V14 U10.U15 U10.R13 ; v1(91.31,175.62) 91.19,175.74 82.3,175.74 81.66,176.38 65.53,176.38 v2(65.41,176.25) ; v1(84.66,156.79) 84.61,156.79 81.2,160.2 59.03,160.2 49.81,150.98 v1(49.81,150.93) v1(49.81,147.27) 49.81,120.83 52.5,118.14 v2(55.98,118.14) ; v1(113.44,183.87) 112.98,183.41 96.57,183.41 90.42,177.27 83.44,177.27 82.8,177.9 76.07,177.9 75.44,178.54 73.66,178.54 73.03,177.9 71.12,177.9 v2(70.99,177.77) ; R633.1 v2(174.62,169.39) ; 96.42,155.55 96.57,155.7 96.57,156.49 v1(96.95,156.87) 98.22,158.14 v1(98.22,159.36) ; 92.28,181.79 92.28,181.66 89.66,179.04 87.13,179.04 86.87,179.3 J135.2 ; 92.28,181.79 95.14,184.65 J49.20 ; 109.42,143.94 109.14,143.66 v2(109.04,143.66) v2(108.15,143.66) 107.85,143.66 106.72,144.79 v1(106.72,144.92) 106.71,144.93 ; R2635.1 v2(164.36,137.41) ; C3680.1 v2(167.44,126.8) ; v2(83.82,185.7) 84.33,185.19 U27.3 ; 99.27,135.84 v1(98.81,136.29) ; 99.27,135.84 99.16,135.84 98.78,135.46 ; 99.27,135.84 100.38,135.84 v1(100.43,135.89) ; U11.G8 U11.G9 ; 94.02,137.89 94.41,138.28 U10.AA20 ; 94.02,137.89 U10.AB20 94.41,137.49 v1(94.01,137.08) ; C314.2 v2(36.68,122.17) ; v2(39.5,115.24) 38.99,115.75 v2(38.99,117.02) 38.99,118.54 39.5,119.05 v2(40.26,119.05) v2(42.29,119.05) v2(44.58,119.05) 45.44,119.05 45.97,118.52 v2(45.97,117.6) v2(45.97,116) ; U10.P14 U10.N15 U10.P16 ; U10.P14 U10.R13 ; v1(144.2,159.08) 144.2,164.11 148.41,168.33 v4(154.74,168.33) v4(156.62,168.33) v4(159.08,168.33) 163.6,168.33 v1(163.68,168.25) 163.78,168.25 169.8,162.23 169.8,157.33 168.61,156.13 v2(168.61,153.16) v2(168.61,151.76) 168.61,150.83 v1(163.86,146.08) v1(152.43,134.65) v1(151.31,133.53) v1(144.23,126.45) v1(142.09,124.31) v1(139.42,121.64) v1(133.83,116.05) 132.97,115.19 132.97,106.2 129.62,102.84 120.8,102.84 119.61,101.65 119.61,99.26 v2(119.25,98.91) ; U32.H10 v4(145.75,151.32) ; U10.AE21 95.19,135.09 94.84,134.75 94.84,134.66 U10.AF21 95.21,134.29 v1(95.61,133.89) ; 137.19,142.82 137.19,142.89 v2(136.75,143.33) ; v1(126.7,175.31) 126.96,175.58 C198.2 128.28,175.58 128.5,175.36 128.55,175.36 v1(128.6,175.31) ; C3674.2 v2(184.66,99.29) ; R183.2 132.56,159.74 v1(132.41,159.59) ; U44.23 v2(174.13,133.72) ; U10.AD28 100.81,135.89 v1(101.22,135.89) ; U10.AM12 v1(88.41,129.89) ; 156.87,154 C239.1 v2(157.51,153.97) ; R2279.2 v2(173.99,142.09) ; 82.01,132.3 U10.AJ5 82.22,131.7 82.02,131.7 ; 82.01,132.3 U10.AG3 ; C3669.1 v2(173.99,118.47) ; U32.J8 U32.H9 ; U32.H9 v4(145.75,151.32) ; U32.H9 U32.J10 ; U24.47 134.57,169.64 v2(134.7,169.77) ; C3689.2 v2(36.68,101.3) ; U44.21 v2(174.07,135.02) ; C100.1 112.6,145.29 v2(112.85,145.54) ; v2(157.53,150.01) 157.48,150.06 R266.2 ; C120.2 v2(122.94,124.56) ; C158.2 118.11,170.87 v2(118.29,171.04) ; C313.2 v2(37.57,122.17) ; R269.2 v2(157.58,147.4) ; C180.2 v2(138.66,164.54) ; C144.2 140.46,131.9 v2(139.93,131.9) 139.62,131.9 139.15,131.43 C133.2 ; U32.C15 v4(150.81,156.27) ; v1(160.17,175.95) 160.05,175.82 144.5,175.82 v1(143.88,176.44) 143.81,176.5 134.11,176.5 131.32,173.71 v1(131.32,173.58) ; U10.Y15 U10.W14 ; R637.2 v1(190.25,161.9) ; C3681.1 v2(151.13,122.91) ; C238.1 v2(156.87,155.52) ; U10.R13 U10.T12 88.41,141.9 ; C218.2 v2(93.65,163.93) ; v2(76.96,178.66) 76.96,179.04 77.22,179.3 78.36,179.3 78.76,178.9 83.33,178.9 84.2,178.03 90.17,178.03 96.37,184.23 v1(104.95,184.23) 105.71,184.23 v1(105.77,184.18) 105.82,184.12 112.27,184.12 v1(113.39,185.24) ; v2(129.37,135.78) U18.4 v2(130.35,137.08) ; R649.1 v2(195.73,171.04) ; RN11.7 156.16,142.41 156.44,142.69 v2(156.44,142.7) 156.44,142.73 156.18,142.99 RN11.8 ; v1(87.89,110.35) U11.T1 ; C3668.1 v2(177.04,115.93) ; 107.87,146.89 108.89,146.89 108.86,146.86 C98.1 ; R108.2 v2(123.39,136.3) ; v1(80.66,121.15) U8.B9 81.07,121.55 v1(81.46,121.94) ; v2(181.21,95.5) U1495.1 v2(179.62,96.58) ; v2(37.56,126.85) U43.15 ; v2(139.83,130.28) 139.73,130.38 C131.2 ; v1(99.61,141.89) U10.U26 ; U8.T1 v1(74.07,110.35) ; R333.2 v2(40.23,122.17) ; U32.J6 v4(142.75,150.32) U32.H6 v4(141.75,151.32) U32.G6 v4(142.75,151.32) ; U1492.7 v2(176.36,144.67) ; U32.F11 147.21,152.82 v2(146.81,153.21) 146.25,153.77 U32.E10 ; R83.2 v2(92.96,158.98) ; C132.2 v2(139.85,129.49) ; C798.2 v2(173.99,143.1) ; v1(69.67,153.44) 69.67,153.44 ; U32.M1 v4(136.75,146.32) ; RN12.7 152.32,139.15 v2(152.55,138.91) 152.89,139.25 RN12.8 ; R646.1 v2(181.99,172.06) ; 130.56,115.95 v1(130.56,115.87) ; 130.56,115.95 v1(130.56,118.62) 130.56,119.48 v2(129.03,121.01) 127.13,122.91 123.57,122.91 117.35,129.13 116,129.13 107.62,137.52 105.46,137.52 ; U10.AA20 v1(94.81,138.69) ; U10.AA20 v1(94.01,138.69) ; v2(37.56,105.97) U1496.15 ; U44.7 v2(181.26,134.37) ; U10.M27 99.21,144.69 U10.P26 U10.R26 ; U10.AK6 v1(82.81,131.49) ; R265.1 156.87,151.71 v2(156.97,151.82) ; R643.2 v2(186.44,157.2) ; v1(133.86,172.82) 135.43,174.4 142.32,174.4 143.59,173.13 v1(145.21,173.13) v2(156.01,173.13) 159.84,173.13 160.15,172.82 161.34,172.82 v1(161.39,172.87) ; v2(114.58,132.33) R136.2 C124.2 ; 122.17,98.4 121.79,98.78 U109.10 U109.9 121.79,100.94 122.71,101.85 130.15,101.85 133.99,105.69 133.99,114.66 v1(140.49,121.16) v1(142.13,122.8) v1(143.64,124.31) v1(145.67,126.34) 145.69,126.34 v1(152.63,133.27) v1(154.05,134.7) v1(168.45,149.1) 168.45,149.12 170.89,151.56 170.89,162.74 v1(166.83,166.8) 164.19,169.44 v1(163.32,169.44) v4(157.99,169.44) v4(152.78,169.44) 147.85,169.44 143.15,164.74 v1(143.15,159.08) ; 122.17,98.4 114.94,98.4 114.68,98.65 114.68,99.16 115.06,99.54 v2(115.06,102.08) ; C3042.1 v2(133.99,101.7) ; D90.A v1(121.41,175.23) ; U110.10 v1(116.71,98.93) ; R88.2 v1(96.16,158.39) 95.73,157.96 95.73,156.26 95.53,156.06 95.53,155.02 ; X5.2 v2(171.69,125.69) ; R233.1 v2(142.11,138.79) ; C61.2 v2(36.6,165.1) ; v2(108.15,171.91) 108.38,171.91 C166.2 ; C190.2 v2(141.12,163.93) ; v1(68.07,131.28) U6.F9 ; U44.22 176.31,134.38 v2(176.53,134.59) ; R171.2 v2(128.19,161.42) ; C800.1 v2(182.83,157.53) ; R2615.1 v2(151.13,124.94) ; R185.2 v2(118.16,168.78) ; R640.2 v2(192.28,163.8) ; v1(69.67,139.6) U6.D1 ; v4(142.75,151.32) U32.H7 ; C300.2 v2(23.01,165.1) ; U32.B10 v4(146.75,156.32) ; U32.A1 v2(137.74,158.3) ; RN10.5 145.28,139.2 v2(145.59,138.89) 145.85,139.15 RN10.6 ; C2990.2 v2(32.28,80.47) ; R118.2 v2(125.98,125.07) ; C2986.2 v2(48.49,85.83) ; v2(135.76,171.04) 135.76,170.61 C165.2 ; C136.2 v2(124.94,166.83) ; C296.2 v2(42.9,122.17) ; C298.2 v2(28.09,165.1) ; v1(51.61,109.27) 51.61,110.59 51.87,110.85 65.28,110.85 v1(72.31,103.81) 73.38,102.74 v1(76.86,102.74) 109.63,102.74 111.11,104.23 114.41,104.23 116.15,105.97 127.48,105.97 129.16,107.65 129.16,118.97 v2(127.89,120.24) v2(126.96,121.17) 126.49,121.64 123.19,121.64 116.71,128.12 115.54,128.12 v1(110.82,132.84) 107.24,136.42 105.59,136.42 ; C285.2 v2(21.74,179.3) ; R252.2 v2(150.34,138.96) ; v1(50.93,147.55) v1(50.93,150.44) 